# KiCad board X88C.kicad_pcb
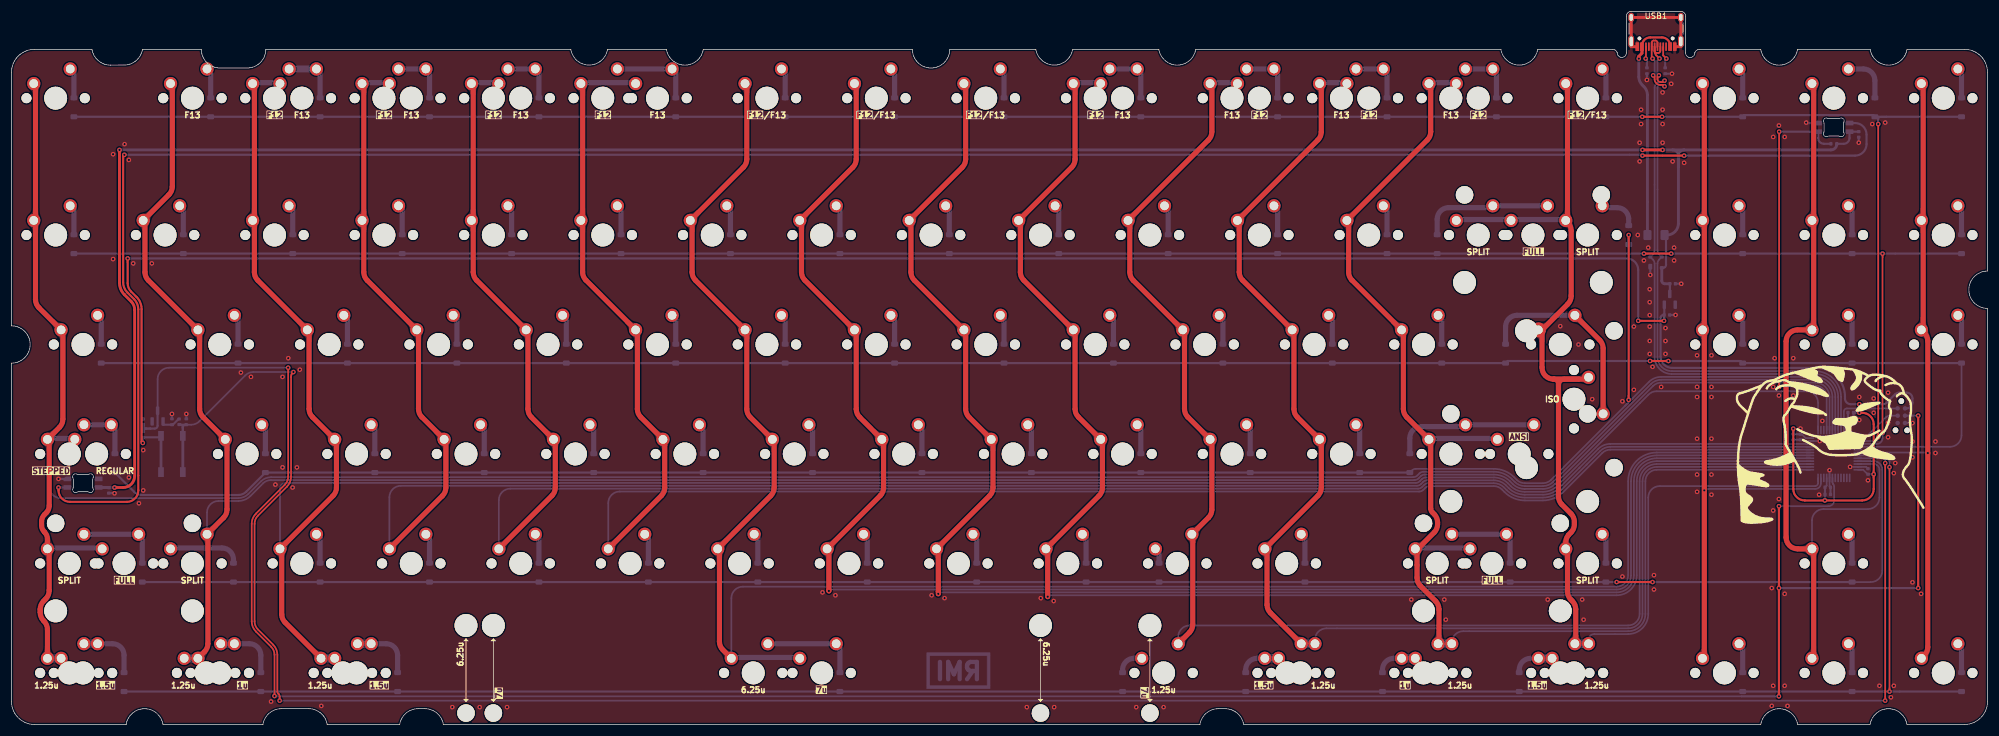
[diagram p0: board, top side]
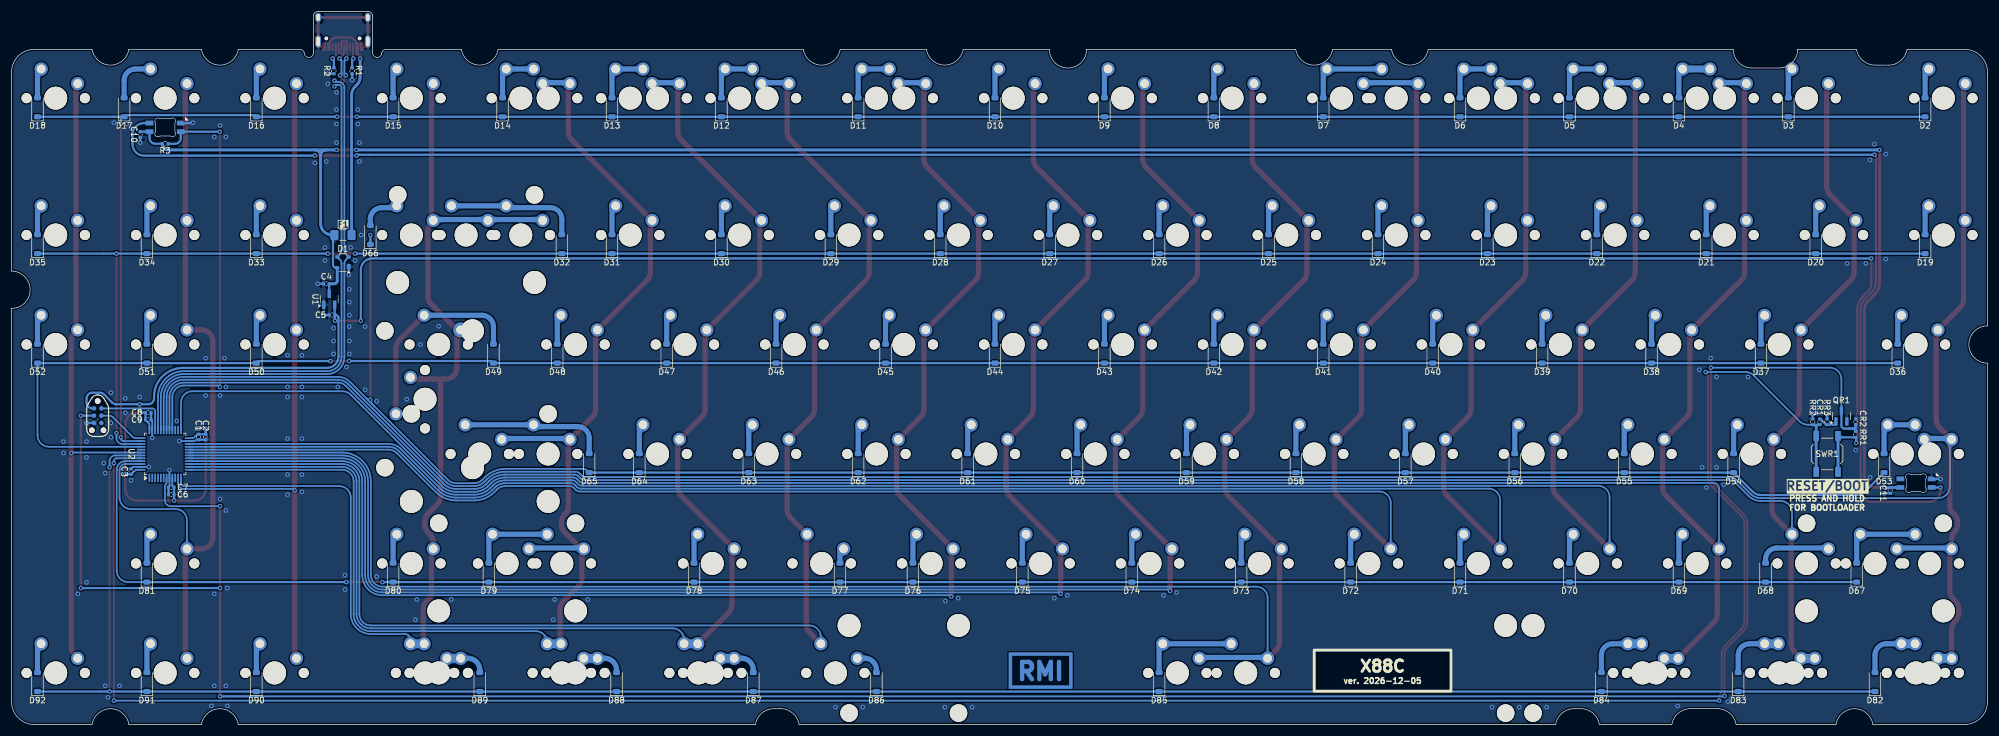
[diagram p1: board, bottom side, seen from below]

Outline 344 x 124.07 mm; copper layers: Top, Bottom. Coordinates in mm from the lower left corner of the outline.
Outline path: 14.01,117.49 4.09,117.48 arc(1.17,116.31) 0,113.4 0,69.38 arc(3.25,66.13) 0,62.88 0,4 arc(1.17,1.17) 4,0 19.95,0 arc(23.16,2.75) 26.38,0 43.77,0 arc(44.86,1.97) 46.98,2.75 51.74,2.75 arc(53.86,1.97) 54.96,0 ; 14.01,117.49 arc(15.11,115.51) 17.24,114.74 19.6,114.74 arc(21.71,115.52) 22.8,117.49 33.05,117.49 arc(34,115.19) 36.3,114.24 41.02,114.24 arc(43.32,115.19) 44.27,117.49 97.36,117.49 arc(100.56,114.74) 103.77,117.49 114.01,117.49 arc(117.22,114.74) 120.44,117.48 156.84,117.49 arc(160.09,114.24) 163.34,117.49 178.33,117.49 arc(181.53,114.74) 184.73,117.49 199.74,117.49 arc(202.95,114.74) 206.16,117.48 259.29,117.49 arc(262.49,114.74) 265.69,117.49 278.75,117.49 arc(279.26,117.31) 279.55,116.87 arc(280.34,116.07) 281.13,116.87 281.13,123.28 arc(281.37,123.84) 281.93,124.07 290.64,124.07 arc(291.2,123.84) 291.44,123.28 291.44,116.87 arc(292.24,116.07) 293.04,116.87 arc(293.33,117.31) 293.83,117.49 304.51,117.49 arc(307.72,114.74) 310.94,117.48 323.56,117.49 arc(326.77,114.74) 329.99,117.48 340,117.49 arc(342.83,116.31) 344,113.49 344,78.9 arc(340.75,75.65) 344,72.4 344,4 arc(342.83,1.17) 340,0 329.98,0 arc(326.77,2.75) 323.56,0 310.94,0 arc(307.73,2.75) 304.52,0 214.49,0 arc(213.4,1.97) 211.28,2.75 210.11,2.75 arc(207.99,1.97) 206.89,0 75.18,0 ; 54.95,0 67.58,0 arc(68.68,1.97) 70.79,2.75 71.97,2.75 arc(74.08,1.97) 75.18,0
Stack: Top 0.035mm / dielectric 1.51mm FR4 er 4.5 / Bottom 0.035mm

## Placement (name value [footprint] x y rotation side)
C1  4.7uF  [C_0402_1005Metric]  311.44 50.03 270 bottom
C2  100nF  [C_0402_1005Metric]  310.19 50.03 270 bottom
C3  100nF  [C_0402_1005Metric]  323.19 44.03 90 bottom
C4  1uF  [C_0402_1005Metric]  289.19 76.69 0 bottom
C5  1uF  [C_0402_1005Metric]  288.19 71.26 180 bottom
C6  1uF  [C_0402_1005Metric]  316.19 40.03 0 bottom
C7  100nF  [C_0402_1005Metric]  316.19 41.28 0 bottom
C8  4.7uF  [C_0402_1005Metric]  320.19 54.28 180 bottom
C9  100nF  [C_0402_1005Metric]  320.19 53.03 180 bottom
C10  100nF  [C_0402_1005Metric]  321.58 102.68 270 bottom
C11  100nF  [C_0402_1005Metric]  16.94 40.74 270 bottom
CR1  10uF  [C_0402_1005Metric]  29.19 52.68 270 bottom
CR2  1uF  [C_0402_1005Metric]  22.94 52.68 90 bottom
D1  PRTR5V0U2X  [SOT-143]  286.29 80.41 0 bottom
D2  1N4148W  [D_SOD-123]  10.86 107.4 90 bottom
D3  1N4148W  [D_SOD-123]  34.67 107.4 90 bottom
D4  1N4148W  [D_SOD-123]  53.72 107.4 90 bottom
D5  1N4148W  [D_SOD-123]  72.77 107.4 90 bottom
D6  1N4148W  [D_SOD-123]  91.82 107.4 90 bottom
D7  1N4148W  [D_SOD-123]  115.64 107.4 90 bottom
D8  1N4148W  [D_SOD-123]  134.69 107.4 90 bottom
D9  1N4148W  [D_SOD-123]  153.74 107.4 90 bottom
D10  1N4148W  [D_SOD-123]  172.79 107.4 90 bottom
D11  1N4148W  [D_SOD-123]  196.6 107.4 90 bottom
D12  1N4148W  [D_SOD-123]  220.41 107.4 90 bottom
D13  1N4148W  [D_SOD-123]  239.46 107.4 90 bottom
D14  1N4148W  [D_SOD-123]  258.51 107.4 90 bottom
D15  1N4148W  [D_SOD-123]  277.56 107.4 90 bottom
D16  1N4148W  [D_SOD-123]  301.37 107.4 90 bottom
D17  1N4148W  [D_SOD-123]  324.39 107.4 90 bottom
D18  1N4148W  [D_SOD-123]  339.47 107.4 90 bottom
D19  1N4148W  [D_SOD-123]  10.86 83.59 90 bottom
D20  1N4148W  [D_SOD-123]  29.91 83.59 90 bottom
D21  1N4148W  [D_SOD-123]  48.96 83.59 90 bottom
D22  1N4148W  [D_SOD-123]  68.01 83.59 90 bottom
D23  1N4148W  [D_SOD-123]  87.06 83.59 90 bottom
D24  1N4148W  [D_SOD-123]  106.11 83.59 90 bottom
D25  1N4148W  [D_SOD-123]  125.16 83.59 90 bottom
D26  1N4148W  [D_SOD-123]  144.21 83.59 90 bottom
D27  1N4148W  [D_SOD-123]  163.26 83.59 90 bottom
D28  1N4148W  [D_SOD-123]  182.31 83.59 90 bottom
D29  1N4148W  [D_SOD-123]  201.36 83.59 90 bottom
D30  1N4148W  [D_SOD-123]  220.41 83.59 90 bottom
D31  1N4148W  [D_SOD-123]  239.46 83.59 90 bottom
D32  1N4148W  [D_SOD-123]  248.19 83.59 90 bottom
D33  1N4148W  [D_SOD-123]  301.37 83.59 90 bottom
D34  1N4148W  [D_SOD-123]  320.42 83.59 90 bottom
D35  1N4148W  [D_SOD-123]  339.47 83.59 90 bottom
D36  1N4148W  [D_SOD-123]  15.62 64.54 90 bottom
D37  1N4148W  [D_SOD-123]  39.44 64.54 90 bottom
D38  1N4148W  [D_SOD-123]  58.49 64.54 90 bottom
D39  1N4148W  [D_SOD-123]  77.54 64.54 90 bottom
D40  1N4148W  [D_SOD-123]  96.59 64.54 90 bottom
D41  1N4148W  [D_SOD-123]  115.64 64.54 90 bottom
D42  1N4148W  [D_SOD-123]  134.69 64.54 90 bottom
D43  1N4148W  [D_SOD-123]  153.74 64.54 90 bottom
D44  1N4148W  [D_SOD-123]  172.79 64.54 90 bottom
D45  1N4148W  [D_SOD-123]  191.84 64.54 90 bottom
D46  1N4148W  [D_SOD-123]  210.89 64.54 90 bottom
D47  1N4148W  [D_SOD-123]  229.94 64.54 90 bottom
D48  1N4148W  [D_SOD-123]  248.99 64.54 90 bottom
D49  1N4148W  [D_SOD-123]  260.1 64.54 90 bottom
D50  1N4148W  [D_SOD-123]  301.37 64.54 90 bottom
D51  1N4148W  [D_SOD-123]  320.42 64.54 90 bottom
D52  1N4148W  [D_SOD-123]  339.47 64.54 90 bottom
D53  1N4148W  [D_SOD-123]  18.01 45.49 90 bottom
D54  1N4148W  [D_SOD-123]  44.2 45.49 90 bottom
D55  1N4148W  [D_SOD-123]  63.25 45.49 90 bottom
D56  1N4148W  [D_SOD-123]  82.3 45.49 90 bottom
D57  1N4148W  [D_SOD-123]  101.35 45.49 90 bottom
D58  1N4148W  [D_SOD-123]  120.4 45.49 90 bottom
D59  1N4148W  [D_SOD-123]  139.45 45.49 90 bottom
D60  1N4148W  [D_SOD-123]  158.5 45.49 90 bottom
D61  1N4148W  [D_SOD-123]  177.55 45.49 90 bottom
D62  1N4148W  [D_SOD-123]  196.6 45.49 90 bottom
D63  1N4148W  [D_SOD-123]  215.65 45.49 90 bottom
D64  1N4148W  [D_SOD-123]  234.7 45.49 90 bottom
D65  1N4148W  [D_SOD-123]  243.43 45.49 90 bottom
D66  1N4148W  [D_SOD-123]  281.53 85.18 90 bottom
D67  1N4148W  [D_SOD-123]  22.77 26.44 90 bottom
D68  1N4148W  [D_SOD-123]  38.64 26.44 90 bottom
D69  1N4148W  [D_SOD-123]  53.72 26.44 90 bottom
D70  1N4148W  [D_SOD-123]  72.77 26.44 90 bottom
D71  1N4148W  [D_SOD-123]  91.82 26.44 90 bottom
D72  1N4148W  [D_SOD-123]  110.87 26.44 90 bottom
D73  1N4148W  [D_SOD-123]  129.92 26.44 90 bottom
D74  1N4148W  [D_SOD-123]  148.97 26.44 90 bottom
D75  1N4148W  [D_SOD-123]  168.02 26.44 90 bottom
D76  1N4148W  [D_SOD-123]  187.07 26.44 90 bottom
D77  1N4148W  [D_SOD-123]  199.77 26.44 90 bottom
D78  1N4148W  [D_SOD-123]  225.17 26.44 90 bottom
D79  1N4148W  [D_SOD-123]  260.89 26.44 90 bottom
D80  1N4148W  [D_SOD-123]  277.56 26.44 90 bottom
D81  1N4148W  [D_SOD-123]  320.42 26.44 90 bottom
D82  1N4148W  [D_SOD-123]  19.59 7.39 90 bottom
D83  1N4148W  [D_SOD-123]  43.41 7.39 90 bottom
D84  1N4148W  [D_SOD-123]  67.22 7.39 90 bottom
D85  1N4148W  [D_SOD-123]  144.21 7.39 90 bottom
D86  1N4148W  [D_SOD-123]  193.42 7.39 90 bottom
D87  1N4148W  [D_SOD-123]  214.86 7.39 90 bottom
D88  1N4148W  [D_SOD-123]  238.67 7.39 90 bottom
D89  1N4148W  [D_SOD-123]  262.48 7.39 90 bottom
D90  1N4148W  [D_SOD-123]  301.37 7.39 90 bottom
D91  1N4148W  [D_SOD-123]  320.42 7.39 90 bottom
D92  1N4148W  [D_SOD-123]  339.47 7.39 90 bottom
F1  500mA  [Fuse_1206_3216Metric_Pad1.42x1.75mm_HandSolder]  286.29 85.18 180 bottom
G1  RMI-KB Signature  [Signature]  164.85 9.24 180 bottom
J2  TC2030_SWD  [CON_TC2030_outlined]  329 53.74 270 bottom
MX1  MX_SW_solder  [SW_MX_1u]  7.69 108.99 0 top
MX2  MX_SW_solder  [SW_MX_1u]  31.5 108.99 0 top
MX3  MX_SW_solder  [SW_MX_1u]  50.55 108.99 0 top
MX4  MX_SW_solder  [SW_MX_1u]  69.6 108.99 0 top
MX5  MX_SW_solder  [SW_MX_1u]  88.65 108.99 0 top
MX6  MX_SW_solder  [SW_MX_1u]  112.46 108.99 0 top
MX7  MX_SW_solder  [SW_MX_1u]  131.51 108.99 0 top
MX8  MX_SW_solder  [SW_MX_1u]  150.56 108.99 0 top
MX9  MX_SW_solder  [SW_MX_1u]  169.61 108.99 0 top
MX10  MX_SW_solder  [SW_MX_1u]  193.42 108.99 0 top
MX11  MX_SW_solder  [SW_MX_1u]  212.47 108.99 0 top
MX12  MX_SW_solder  [SW_MX_1u]  231.52 108.99 0 top
MX13  MX_SW_solder  [SW_MX_1u]  250.57 108.99 0 top
MX14  MX_SW_solder  [SW_MX_1u]  274.39 108.99 0 top
MX15  MX_SW_solder  [SW_MX_1u]  298.2 108.99 0 top
MX16  MX_SW_solder  [SW_MX_1u]  317.25 108.99 0 top
MX17  MX_SW_solder  [SW_MX_1u]  336.3 108.99 0 top
MX18  MX_SW_solder  [SW_MX_1u]  45.79 108.99 0 top
MX19  MX_SW_solder  [SW_MX_1u]  64.84 108.99 0 top
MX20  MX_SW_solder  [SW_MX_1u]  83.89 108.99 0 top
MX21  MX_SW_solder  [SW_MX_1u]  102.94 108.99 0 top
MX25  MX_SW_solder  [SW_MX_1u]  188.66 108.99 0 top
MX26  MX_SW_solder  [SW_MX_1u]  217.24 108.99 0 top
MX27  MX_SW_solder  [SW_MX_1u]  236.29 108.99 0 top
MX28  MX_SW_solder  [SW_MX_1u]  255.34 108.99 0 top
MX30  MX_SW_solder  [SW_MX_1u]  7.69 85.18 0 top
MX31  MX_SW_solder  [SW_MX_1u]  26.74 85.18 0 top
MX32  MX_SW_solder  [SW_MX_1u]  45.79 85.18 0 top
MX33  MX_SW_solder  [SW_MX_1u]  64.84 85.18 0 top
MX34  MX_SW_solder  [SW_MX_1u]  83.89 85.18 0 top
MX35  MX_SW_solder  [SW_MX_1u]  102.94 85.18 0 top
MX36  MX_SW_solder  [SW_MX_1u]  121.99 85.18 0 top
MX37  MX_SW_solder  [SW_MX_1u]  141.04 85.18 0 top
MX38  MX_SW_solder  [SW_MX_1u]  160.09 85.18 0 top
MX39  MX_SW_solder  [SW_MX_1u]  179.14 85.18 0 top
MX40  MX_SW_solder  [SW_MX_1u]  198.19 85.18 0 top
MX41  MX_SW_solder  [SW_MX_1u]  217.24 85.18 0 top
MX42  MX_SW_solder  [SW_MX_1u]  236.29 85.18 0 top
MX43  MX_SW_solder  [SW_MX_1u]  264.86 85.18 0 top
MX44  MX_SW_solder  [SW_MX_1u]  298.2 85.18 0 top
MX45  MX_SW_solder  [SW_MX_1u]  317.25 85.18 0 top
MX46  MX_SW_solder  [SW_MX_1u]  336.3 85.18 0 top
MX47  MX_SW_solder  [SW_MX_1u]  255.34 85.18 0 top
MX48  MX_SW_solder  [SW_MX_1.5u]  12.45 66.13 0 top
MX49  MX_SW_solder  [SW_MX_1u]  36.26 66.13 0 top
MX50  MX_SW_solder  [SW_MX_1u]  55.31 66.13 0 top
MX51  MX_SW_solder  [SW_MX_1u]  74.36 66.13 0 top
MX52  MX_SW_solder  [SW_MX_1u]  93.41 66.13 0 top
MX53  MX_SW_solder  [SW_MX_1u]  112.46 66.13 0 top
MX54  MX_SW_solder  [SW_MX_1u]  131.51 66.13 0 top
MX55  MX_SW_solder  [SW_MX_1u]  150.56 66.13 0 top
MX56  MX_SW_solder  [SW_MX_1u]  169.61 66.13 0 top
MX57  MX_SW_solder  [SW_MX_1u]  188.66 66.13 0 top
MX58  MX_SW_solder  [SW_MX_1u]  207.71 66.13 0 top
MX59  MX_SW_solder  [SW_MX_1u]  226.76 66.13 0 top
MX60  MX_SW_solder  [SW_MX_1u]  245.81 66.13 0 top
MX61  MX_SW_solder  [SW_MX_1.5u#2]  269.62 66.13 0 top
MX62  MX_SW_solder  [SW_MX_1u]  298.2 66.13 0 top
MX63  MX_SW_solder  [SW_MX_1u]  317.25 66.13 0 top
MX64  MX_SW_solder  [SW_MX_1u]  336.3 66.13 0 top
MX65  MX_SW_solder  [SW_MX_1u]  272.01 56.6 270 top
MX66  MX_SW_solder  [SW_MX_1.75u_STP_1.25]  10.07 47.08 0 top
MX67  MX_SW_solder  [SW_MX_1u]  41.02 47.08 0 top
MX68  MX_SW_solder  [SW_MX_1u]  60.07 47.08 0 top
MX69  MX_SW_solder  [SW_MX_1u]  79.12 47.08 0 top
MX70  MX_SW_solder  [SW_MX_1u]  98.17 47.08 0 top
MX71  MX_SW_solder  [SW_MX_1u]  117.22 47.08 0 top
MX72  MX_SW_solder  [SW_MX_1u]  136.27 47.08 0 top
MX73  MX_SW_solder  [SW_MX_1u]  155.32 47.08 0 top
MX74  MX_SW_solder  [SW_MX_1u]  174.37 47.08 0 top
MX75  MX_SW_solder  [SW_MX_1u]  193.42 47.08 0 top
MX76  MX_SW_solder  [SW_MX_1u]  212.47 47.08 0 top
MX77  MX_SW_solder  [SW_MX_1u]  231.52 47.08 0 top
MX78  MX_SW_solder  [SW_MX_1u]  262.48 47.08 0 top
MX79  MX_SW_solder  [SW_MX_1u]  274.39 85.18 0 top
MX80  MX_SW_solder  [SW_MX_1.75u]  14.83 47.08 0 top
MX81  MX_SW_solder  [SW_MX_1u]  250.57 47.08 0 top
MX82  MX_SW_solder  [SW_MX_1u]  19.59 28.03 0 top
MX83  MX_SW_solder  [SW_MX_1u]  50.55 28.03 0 top
MX84  MX_SW_solder  [SW_MX_1u]  69.6 28.03 0 top
MX85  MX_SW_solder  [SW_MX_1u]  88.65 28.03 0 top
MX86  MX_SW_solder  [SW_MX_1u]  107.7 28.03 0 top
MX87  MX_SW_solder  [SW_MX_1u]  126.75 28.03 0 top
MX88  MX_SW_solder  [SW_MX_1u]  145.8 28.03 0 top
MX89  MX_SW_solder  [SW_MX_1u]  164.85 28.03 0 top
MX90  MX_SW_solder  [SW_MX_1u]  183.9 28.03 0 top
MX91  MX_SW_solder  [SW_MX_1u]  202.95 28.03 0 top
MX92  MX_SW_solder  [SW_MX_1u]  222 28.03 0 top
MX93  MX_SW_solder  [SW_MX_1u]  257.72 28.03 0 top
MX94  MX_SW_solder  [SW_MX_1u]  317.25 28.03 0 top
MX95  MX_SW_solder  [SW_MX_1.25u]  10.07 28.03 0 top
MX96  MX_SW_solder  [SW_MX_1u]  31.5 28.03 0 top
MX97  MX_SW_solder  [SW_MX_1.75u]  248.19 28.03 0 top
MX98  MX_SW_solder  [SW_MX_1u]  274.39 28.03 0 top
MX99  MX_SW_solder  [SW_MX_1.5u]  12.45 8.98 0 top
MX100  MX_SW_solder  [SW_MX_1u]  36.26 8.98 0 top
MX101  MX_SW_solder  [SW_MX_1.5u]  60.07 8.98 0 top
MX102  MX_SW_solder  [SW_MX_1u]  141.04 8.98 0 top
MX103  MX_SW_solder  [SW_MX_1.5u]  222 8.98 0 top
MX104  MX_SW_solder  [SW_MX_1u]  245.81 8.98 0 top
MX105  MX_SW_solder  [SW_MX_1.5u]  269.62 8.98 0 top
MX106  MX_SW_solder  [SW_MX_1u]  298.2 8.98 0 top
MX107  MX_SW_solder  [SW_MX_1u]  317.25 8.98 0 top
MX108  MX_SW_solder  [SW_MX_1u]  336.3 8.98 0 top
MX109  MX_SW_solder  [SW_MX_1.25u]  10.07 8.98 0 top
MX110  MX_SW_solder  [SW_MX_1.25u]  33.88 8.98 0 top
MX111  MX_SW_solder  [SW_MX_1.25u]  57.69 8.98 0 top
MX112  MX_SW_solder  [SW_MX_1u]  129.13 8.98 0 top
MX113  MX_SW_solder  [SW_MX_1.25u]  200.57 8.98 0 top
MX114  MX_SW_solder  [SW_MX_1.25u]  224.38 8.98 0 top
MX115  MX_SW_solder  [SW_MX_1.25u]  248.19 8.98 0 top
MX116  MX_SW_solder  [SW_MX_1.25u]  272.01 8.98 0 top
QR1  2N7002  [SOT-23]  25.44 53.68 90 bottom
R1  5k1  [R_0402_1005Metric]  284.71 113.75 270 bottom
R2  5k1  [R_0402_1005Metric]  287.88 113.75 270 bottom
R3  4k7  [R_0402_1005Metric]  317.25 101.05 0 bottom
RGB1  SK6812MINI-E  [LED_6028R]  317.25 103.91 0 bottom
RGB2  SK6812MINI-E  [LED_6028R]  12.45 42 0 bottom
RR1  33k  [R_0402_1005Metric]  22.94 50.48 90 bottom
RR2  10k  [R_0402_1005Metric]  30.44 52.68 270 bottom
RR3  100k  [R_0402_1005Metric]  27.94 52.68 90 bottom
S1  2u  [STAB_MX_2u]  264.86 85.18 0 top
S2  ISO  [STAB_MX_ISO-ROT]  272.01 56.6 0 top
S3  2.25u  [STAB_MX_2.25u]  262.48 47.08 0 top
S4  2.75u  [STAB_MX_2.75u]  257.72 28.03 0 top
S5  2.25u  [STAB_MX_2.25u]  19.59 28.03 0 top
S6  7u  [STAB_MX_7u]  141.04 8.98 180 top
S7  6.25u  [STAB_MX_6.25u]  129.13 8.98 180 top
SWR1  TS-1187A-B-A-B  [SW_SPST_TL3342]  27.93 47.08 270 bottom
U1  XC6206P332MR  [SOT-23]  288.69 73.99 90 bottom
U2  STM32F072CBT6  [LQFP-48_7x7mm_P0.5mm]  317.25 47.08 90 bottom
USB1  USB_C_Receptacle_USB2.0_16P  [USB_C_Receptacle_HRO_TYPE-C-31-M-12]  286.29 121.99 180 top

## Library data of the parts
C1 C8 = -: LCSC: C23733; MPN: CL05A475MP5NRNC; ki_fp_filters: C_*
C2 C3 C7 C9-C11 = -: LCSC: C1525; MPN: CL05B104KO5NNNC; ki_fp_filters: C_*
C4-C6 CR2 = -: LCSC: C52923; MPN: CL05A105KA5NQNC; ki_fp_filters: C_*
CR1 = -: LCSC: C15525; MPN: CL05A106MQ5NUNC; ki_fp_filters: C_*
D1 = -: Datasheet: https://assets.nexperia.com/documents/data-sheet/PRTR5V0U2X.pdf; LCSC: C2827688; ki_fp_filters: SOT?143*
D2-D92 = -: LCSC: C81598; ki_fp_filters: TO-???* *_Diode_* *SingleDiode* D_*
F1 = -: LCSC: C69688; MPN: nSMD050; ki_fp_filters: *polyfuse* *PTC*
G1 = -: ki_fp_filters: MountingHole*
J2 = -: Description: 6-pin TC2030 connector for SWD programming; ki_fp_filters: IDC?Header*2x03* Pin?Header*2x03*
MX1-MX21 MX25-MX28 MX30-MX116 = -: Description: Push button switch, normally open, two pins, 45° tilted
QR1 = -: Datasheet: https://www.fairchildsemi.com/datasheets/2N/2N7002.pdf; LCSC: C8545; ki_fp_filters: SOT?23*
R1 R2 = -: LCSC: C25905; MPN: 0402WGF5101TCE; ki_fp_filters: R_*
R3 = -: LCSC: C25900; MPN: 0402WGF4701TCE; ki_fp_filters: R_*
RGB1 RGB2 = -: Description: Reverse mount adressable LED (WS2812 protocol); LCSC: C524051
RR1 = -: LCSC: C25779; MPN: 0402WGF3302TCE; ki_fp_filters: R_*
RR2 = -: LCSC: C25744; MPN: 0402WGF1002TCE; ki_fp_filters: R_*
RR3 = -: LCSC: C25741; MPN: 0402WGF1003TCE; ki_fp_filters: R_*
S1-S7 = -: Description: Cherry MX-style stabilizer
SWR1 = -: Description: Push button switch, generic, two pins; LCSC: C318884
U1 = -: Datasheet: https://www.torexsemi.com/file/xc6206/XC6206.pdf; LCSC: C5446; MPN: XC6206P332MR-G; ki_fp_filters: SOT?23?3*
U2 = -: Datasheet: http://www.st.com/st-web-ui/static/active/en/resource/technical/document/datasheet/DM00090510.pdf; LCSC: C81720; ki_fp_filters: LQFP*7x7mm*P0.5mm*
USB1 = -: Datasheet: https://www.usb.org/sites/default/files/documents/usb_type-c.zip; Description: USB 2.0-only 16P Type-C Receptacle connector; LCSC: C165948; MPN: TYPE-C-31-M-12; ki_fp_filters: USB*C*Receptacle*

## Footprints (pads in the part's own frame, mm; a bottom-side part is the same pattern mirrored in y, then rotated)
C_0402_1005Metric
  rrect 0.56x0.62 smd: 1(-0.48,0) 2(0.48,0)
CON_TC2030_outlined
  round 0.991 hole 0.991 unplated: (-2.54,0) (2.54,-1.016) (2.54,1.016)
  round 0.787 smd: 1(-1.27,-0.635) 2(-1.27,0.635) 3(0,-0.635) 4(0,0.635) 5(1.27,-0.635) 6(1.27,0.635)
D_SOD-123
  rrect 0.9x1.2 smd: 1(-1.65,0) 2(1.65,0)
Fuse_1206_3216Metric_Pad1.42x1.75mm_HandSolder
  rrect 1.425x1.75 smd: 1(-1.488,0) 2(1.488,0)
LED_6028R
  rrect 1.35x0.82 smd: 1(2.725,0.75) 2(2.725,-0.75) 3(-2.725,0.75) 4(-2.725,-0.75)
LQFP-48_7x7mm_P0.5mm
  rrect 1.475x0.3 smd: 1(-4.162,2.75) 2(-4.162,2.25) 3(-4.162,1.75) 4(-4.162,1.25) 5(-4.162,0.75) 6(-4.162,0.25) 7(-4.162,-0.25) 8(-4.162,-0.75) 9(-4.162,-1.25) 10(-4.162,-1.75) 11(-4.162,-2.25) 12(-4.162,-2.75) 25(4.162,-2.75) 26(4.162,-2.25) 27(4.162,-1.75) 28(4.162,-1.25) 29(4.162,-0.75) 30(4.162,-0.25) 31(4.162,0.25) 32(4.162,0.75) 33(4.162,1.25) 34(4.162,1.75) 35(4.162,2.25) 36(4.162,2.75)
  rrect 0.3x1.475 smd: 13(-2.75,-4.162) 14(-2.25,-4.162) 15(-1.75,-4.162) 16(-1.25,-4.162) 17(-0.75,-4.162) 18(-0.25,-4.162) 19(0.25,-4.162) 20(0.75,-4.162) 21(1.25,-4.162) 22(1.75,-4.162) 23(2.25,-4.162) 24(2.75,-4.162) 37(2.75,4.162) 38(2.25,4.162) 39(1.75,4.162) 40(1.25,4.162) 41(0.75,4.162) 42(0.25,4.162) 43(-0.25,4.162) 44(-0.75,4.162) 45(-1.25,4.162) 46(-1.75,4.162) 47(-2.25,4.162) 48(-2.75,4.162)
R_0402_1005Metric
  rrect 0.54x0.64 smd: 1(-0.51,0) 2(0.51,0)
SOT-23
  rrect 1.475x0.6 smd: 1(-0.938,0.95) 2(-0.938,-0.95) 3(0.938,0)
SOT-143
  rrect 0.7x1 smd: 1(-1,0.75)
  rrect 0.7x0.6 smd: 2(-1,-0.95) 3(1,-0.95) 4(1,0.95)
STAB_MX_2.25u
  round 3.048 hole 3.048 unplated: (-11.906,6.985) (11.906,6.985)
  round 3.988 hole 3.988 unplated: (-11.906,-8.255) (11.906,-8.255)
STAB_MX_2.75u
  round 3.048 hole 3.048 unplated: (-11.906,6.985) (11.906,6.985)
  round 3.988 hole 3.988 unplated: (-11.906,-8.255) (11.906,-8.255)
STAB_MX_2u
  round 3.048 hole 3.048 unplated: (-11.906,6.985) (11.906,6.985)
  round 3.988 hole 3.988 unplated: (-11.906,-8.255) (11.906,-8.255)
STAB_MX_6.25u
  round 3.048 hole 3.048 unplated: (-50.006,6.985) (50.006,6.985)
  round 3.988 hole 3.988 unplated: (-50.006,-8.255) (50.006,-8.255)
STAB_MX_7u
  round 3.048 hole 3.048 unplated: (-57.15,6.985) (57.15,6.985)
  round 3.988 hole 3.988 unplated: (-57.15,-8.255) (57.15,-8.255)
STAB_MX_ISO-ROT
  round 3.988 hole 3.988 unplated: (-8.255,11.906) (-8.255,-11.906)
  round 3.048 hole 3.048 unplated: (6.985,11.906) (6.985,-11.906)
SW_MX_1.5u
  round 1.75 hole 1.75 unplated: (-5.08,0) (5.08,0)
  round 3.988 hole 3.988 unplated: (0,0)
  round 2.3 hole 1.524: 1(-3.81,2.54) 2(2.54,5.08)
SW_MX_1.5u#2
  round 1.75 hole 1.75 unplated: (-5.08,0) (5.08,0)
  round 3.988 hole 3.988 unplated: (0,0)
  round 2.6 hole 1.524: 1(-3.81,2.54)
  round 2.3 hole 1.524: 2(2.54,5.08)
SW_MX_1.25u
  round 1.75 hole 1.75 unplated: (-5.08,0) (5.08,0)
  round 3.988 hole 3.988 unplated: (0,0)
  round 2.3 hole 1.524: 1(-3.81,2.54) 2(2.54,5.08)
SW_MX_1.75u
  round 1.75 hole 1.75 unplated: (-5.08,0) (5.08,0)
  round 3.988 hole 3.988 unplated: (0,0)
  round 2.3 hole 1.524: 1(-3.81,2.54) 2(2.54,5.08)
SW_MX_1.75u_STP_1.25
  round 1.75 hole 1.75 unplated: (-5.08,0) (5.08,0)
  round 3.988 hole 3.988 unplated: (0,0)
  round 2.3 hole 1.524: 1(-3.81,2.54) 2(2.54,5.08)
SW_MX_1u
  round 1.75 hole 1.75 unplated: (-5.08,0) (5.08,0)
  round 3.988 hole 3.988 unplated: (0,0)
  round 2.3 hole 1.524: 1(-3.81,2.54) 2(2.54,5.08)
SW_SPST_TL3342
  rect 1.7x1 smd: 1(-3.15,1.9) 1(3.15,1.9) 2(-3.15,-1.9) 2(3.15,-1.9)
USB_C_Receptacle_HRO_TYPE-C-31-M-12
  round 0.65 hole 0.65 unplated: (-2.89,2.6) (2.89,2.6)
  rect 0.6x1.45 smd: A1(-3.25,4.045) A4(-2.45,4.045) A9(2.45,4.045) A12(3.25,4.045) B1(3.25,4.045) B4(2.45,4.045) B9(-2.45,4.045) B12(-3.25,4.045)
  rect 0.3x1.45 smd: A5(-1.25,4.045) A6(-0.25,4.045) A7(0.25,4.045) A8(1.25,4.045) B5(1.75,4.045) B6(0.75,4.045) B7(-0.75,4.045) B8(-1.75,4.045)
  oval 1x2.1 hole 0.6x1.7: S1(-4.32,3.13) S1(4.32,3.13)
  oval 1x1.6 hole 0.6x1.2: S1(-4.32,-1.05) S1(4.32,-1.05)
